# Altium PCB MU_MP_39_V1_ASMB.PcbDoc (part 7 of 15) (continued)
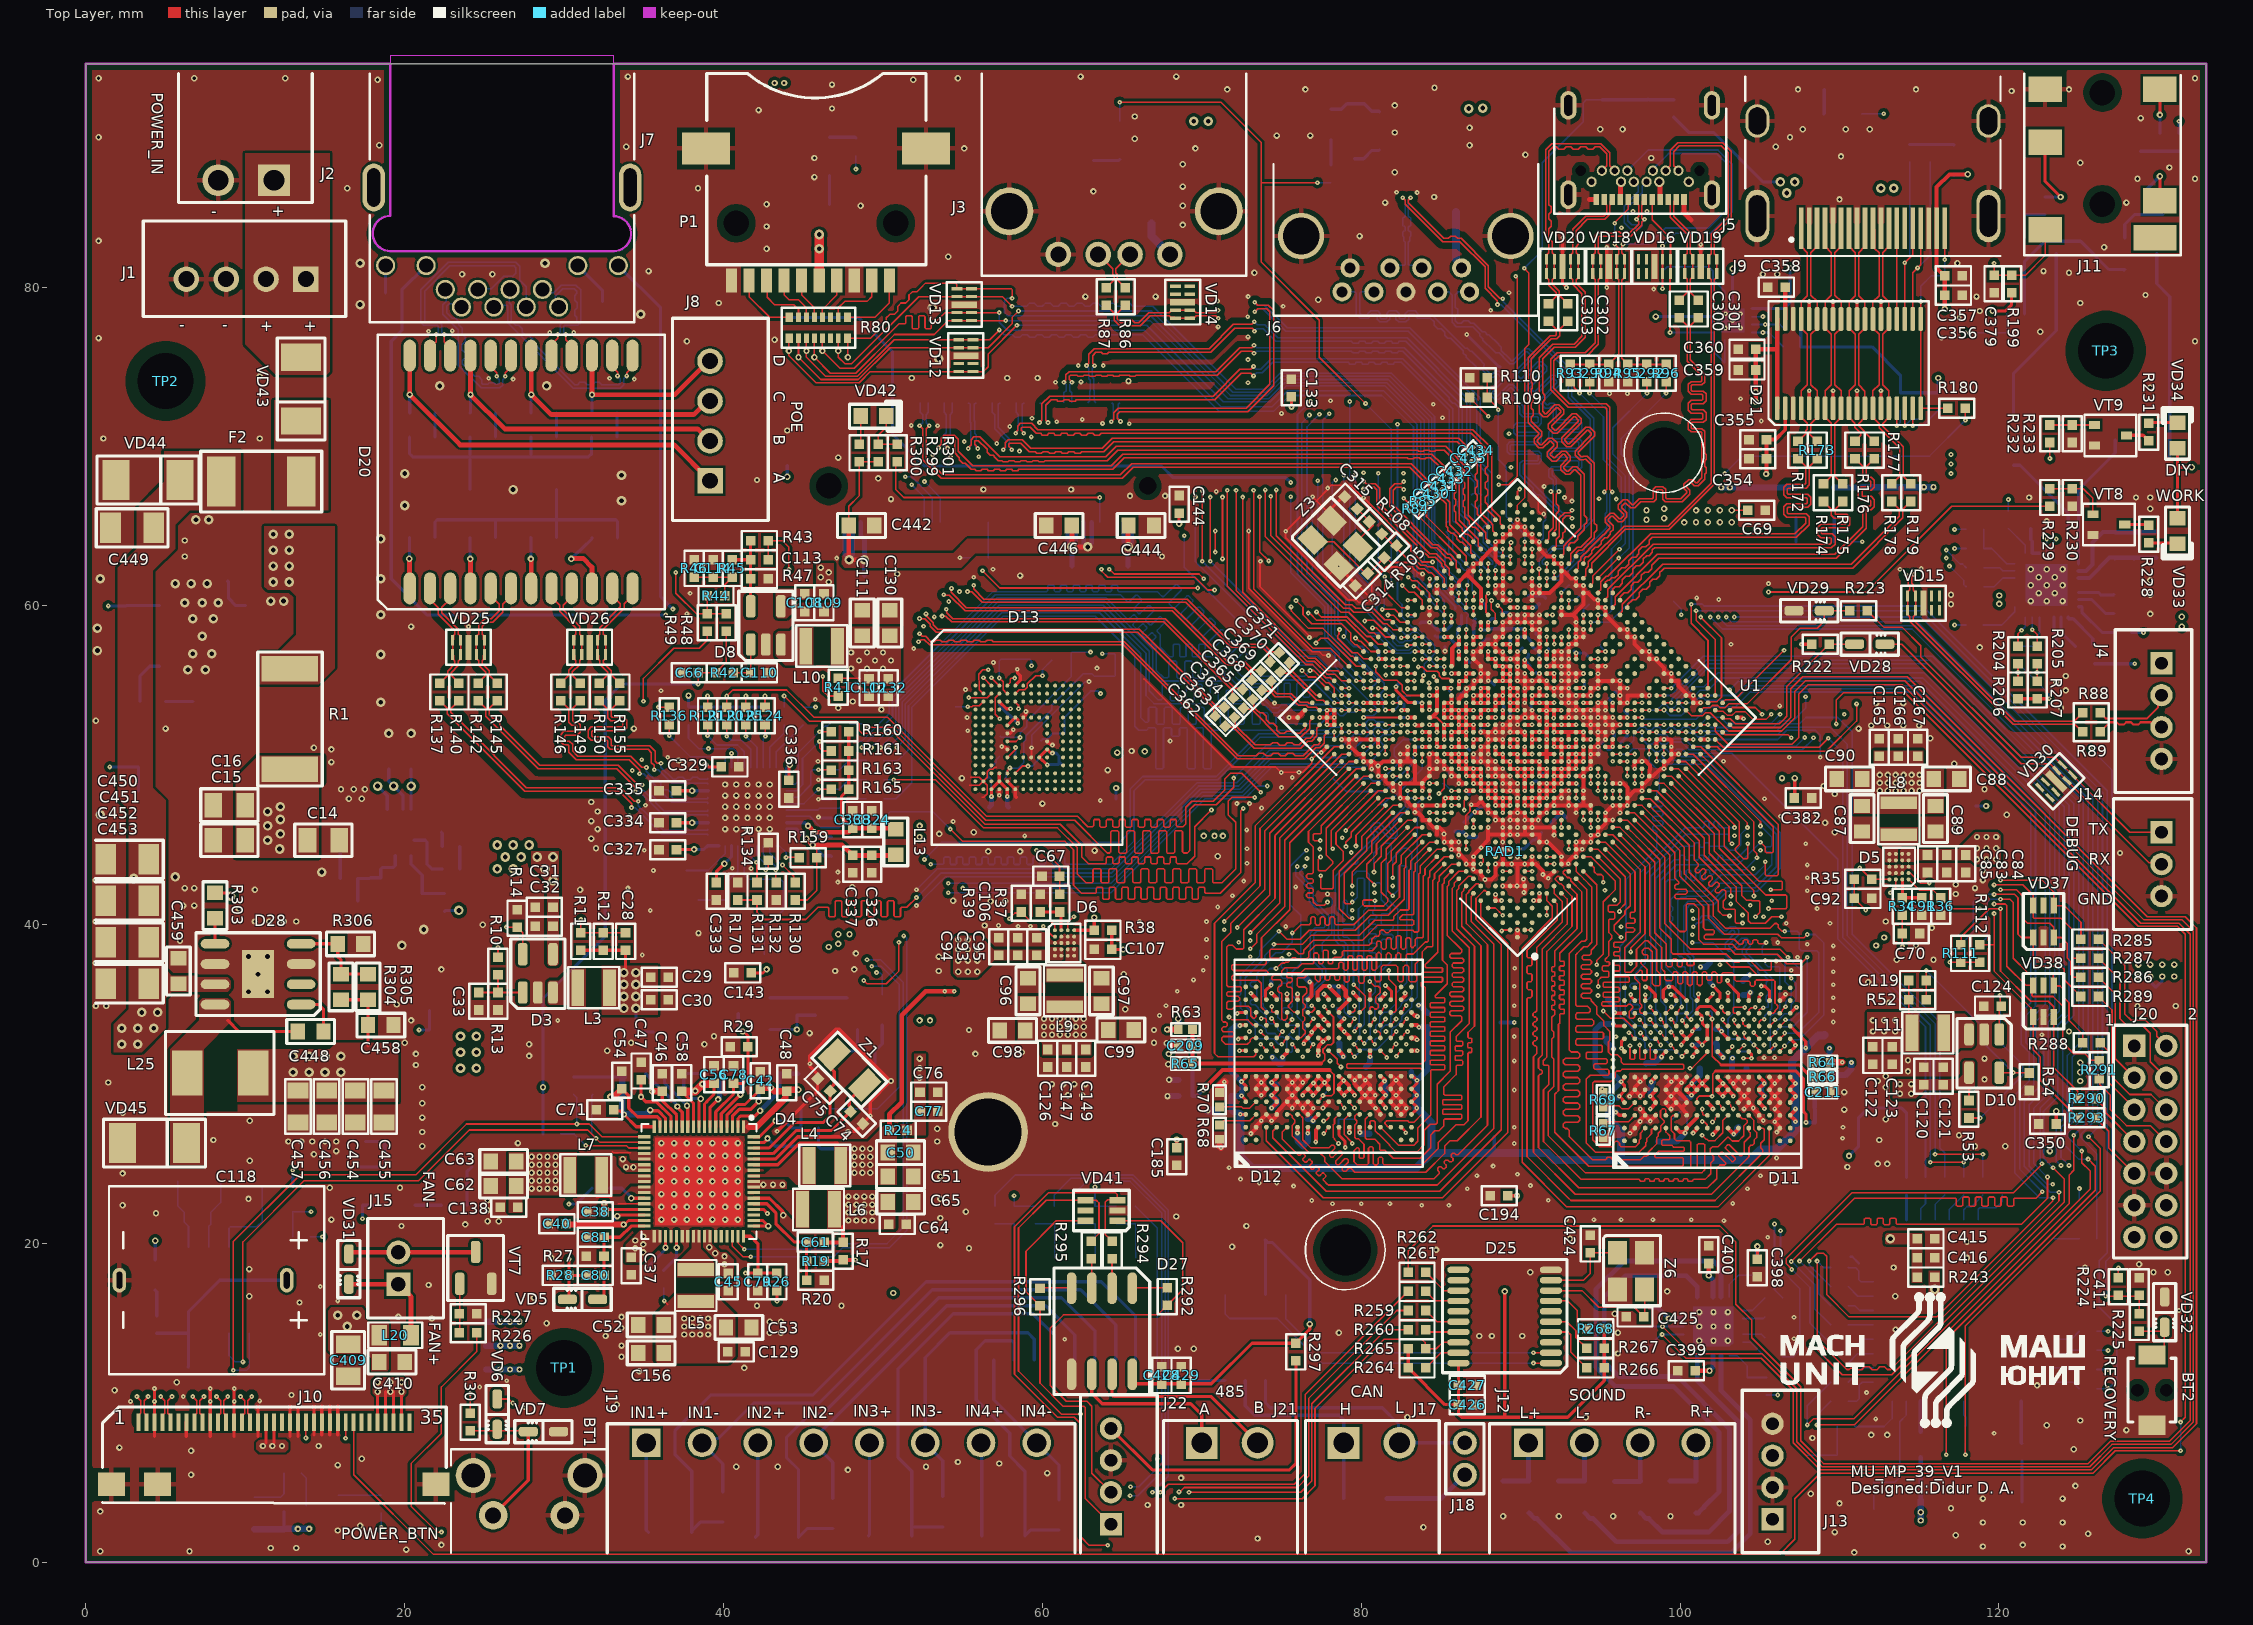
[diagram p0: Top Layer view]
## Nets (pads, with @x,y where several pads share a name; then routed paths per layer and width w, separated by ;. In a path a pad name is that pad's centre, name@x,y a point inside that pad or via, vN(x,y) a via of type N, cw(c..) or ccw(c..) an arc to the next point about the centre after c; other vN are vias at no path point) (continued)
  Top Layer w0.25: v1(78.772,51.623) 78.774,51.621 U1.C26@79.229,51.621 ; v1(80.656,49.774) 80.608,49.823 U1.C23@80.608,50.242 ; v1(81.07,51.163) 81.067,51.166 U1.E24@81.067,51.621 80.612,51.621 v1(80.61,51.623) v1(79.691,51.623) 79.69,51.621 U1.C26@79.229,51.621 ; v1(82.022,48.403) 82.022,48.417 81.987,48.452 U1.C20@81.986,48.863 81.643,48.863 81.527,48.98 U1.C21@81.527,49.323 81.072,49.323 v1(81.07,49.325) 81.07,49.944 v1@81.062,49.952 ; v1(82.449,49.785) 82.446,49.787 U1.E21@82.446,50.242 ; v1(82.449,50.704) 82.451,50.702 U1.F21@82.906,50.702 ; v1(82.452,48.857) 82.449,48.853 v1(82.449,47.946) 82.451,47.944 U1.C18@82.906,47.944 82.891,47.93 82.891,47.717 83.124,47.485 U1.C17@83.365,47.485 ; v1@82.452,48.858 83.298,48.858 ; v1(82.908,51.163) 82.906,51.161 U1.F21@82.906,50.702 ; v1(83.827,48.406) 83.836,48.415 U1.E18@83.836,48.784 ; U1.F18@84.285,49.323 84.264,49.323 84.183,49.242 84.131,49.242 83.91,49.022 83.91,48.969 83.825,48.884 U1.E18@83.825,48.863 83.819,48.858 83.298,48.858 ; U1.F18@84.285,49.325 84.285,49.782 v1(84.287,49.785) ; 84.744,45.661 U1.C14@84.744,46.106 ; U1.G18@84.744,49.783 84.289,49.783 v1(84.287,49.785) ; v1(84.746,47.487) v1(83.827,47.487) 83.368,47.487 U1.C17@83.365,47.485 ; v1(84.746,47.487) 84.749,47.485 85.204,47.485 85.204,47.945 85.206,47.946 85.208,47.944 v1(85.289,47.944) U1.F15@85.663,47.944 85.663,47.946 v1(86.125,47.946) ; v1@85.192,45.693 85.206,45.678 v1(85.206,45.189) 85.209,45.186 U1.C12@85.663,45.186 ; v1(85.195,45.693) 85.192,45.696 85.192,45.823 84.909,46.106 U1.C14@84.744,46.106 ; U1.N21@86.123,53.919 86.123,54.2 86.302,54.379 U1.P21@86.583,54.379 86.583,54.787 v1(86.61,54.814) 86.634,54.838 U1.R21@87.042,54.838 87.042,55.247 v1(87.095,55.299) v1(87.095,55.299) U1.T21@87.502,55.298 87.502,55.757 v1(87.504,55.758) 87.502,55.76 U1.U22@87.502,56.217 U1.U23@87.042,56.677 87.042,57.095 87.032,57.105 v1(87.032,57.118) ; U1.AA29@86.123,61.273 86.123,61.515 86.6,61.992 ; v1(86.125,45.189) 86.122,45.186 U1.C12@85.663,45.186 ; U1.H15@86.583,48.863 86.127,48.864 v1(86.125,48.865) 86.123,48.867 U1.H16@86.123,49.323 85.667,49.323 v1(85.665,49.325) 85.664,49.327 85.664,49.783 85.208,49.783 v1(85.206,49.785) 85.204,49.786 U1.H18@85.204,50.242 84.748,50.242 v1(84.746,50.244) 84.744,50.246 U1.H19@84.744,50.702 84.288,50.702 v1(84.287,50.704) v1(84.287,49.785) ; v1@86.9,47.518 86.904,47.514 87.26,47.514 87.502,47.756 ; v1(87.034,62.642) 87.042,62.633 U1.AC29@87.042,62.192 86.8,62.192 86.6,61.992 ; v1@87.042,57.136 v1@87.044,57.137 ; v1@87.042,62.65 87.044,62.652 U1.AD29@87.502,62.652 87.502,62.894 88.179,63.571 U1.AF29@88.421,63.571 ; v1(87.044,50.704) 87.042,50.702 U1.K16@87.042,50.242 87.502,50.242 v1(87.504,50.244) ; v1@87.045,57.136 U1.V23@87.502,57.137 87.502,57.595 v1(87.5,57.597) ; U1.AA26@87.502,59.894 87.502,60.274 87.557,60.33 v1(87.557,60.342) ; U1.H13@87.502,47.944 87.502,47.756 ; v1@87.502,57.595 87.504,57.597 v1(88.423,57.597) ; v1(87.504,52.082) 87.505,52.081 U1.N17@87.962,52.081 ; v1@87.504,60.354 87.504,61.088 86.6,61.992 ; v1(87.504,55.758) U1.U21@87.962,55.758 87.962,55.3 v1(87.963,55.299) ; U1.K14@87.962,49.323 88.421,49.323 v1(88.423,49.325) ; v1(87.963,46.108) 87.968,46.104 87.968,45.583 ; v1(87.963,50.704) 87.962,50.705 U1.M16@87.962,51.162 ; U1.P17@88.421,52.54 88.423,52.539 v1(88.423,52.082) ; v1@88.421,57.595 U1.W22@88.421,57.137 88.857,57.136 v1(88.882,57.112) 88.882,56.678 U1.W21@88.881,56.677 v1(89.362,56.677) U1.Y20@89.8,56.677 ; U1.Y23@88.421,58.056 88.423,58.054 v1(88.423,57.597) ; U1.AC26@88.421,60.814 88.421,61.271 v1(88.423,61.273) U1.AD26@88.881,61.273 ; U1.Y23@88.421,58.056 v1(88.882,58.056) 88.881,58.058 U1.AA23@88.881,58.515 88.881,58.974 v1(88.882,58.975) ; v1(88.423,50.244) 88.421,50.242 U1.L15@87.962,50.242 ; U1.K12@88.881,48.404 89.34,48.404 v1(89.342,48.406) ; U1.N15@88.881,51.162 v1@88.881,51.622 ; v1(88.882,42.432) 89.337,42.432 U1.D5@89.34,42.429 89.345,42.434 v1(89.775,42.434) ; v1(88.882,45.189) 88.881,45.19 U1.G9@88.881,45.646 ; v1(88.882,49.785) 88.88,49.783 U1.L14@88.421,49.783 ; v1(88.882,51.623) v1@88.881,51.622 ; v1(88.882,58.975) U1.AB23@89.34,58.975 ; U1.H9@89.34,46.106 89.34,45.65 v1(89.342,45.649) ; v1(89.341,59.434) U1.AB23@89.34,58.975 ; v1(89.342,44.73) 89.339,44.727 U1.F8@88.881,44.727 U1.E7@88.881,43.808 ; v1(89.342,49.325) 89.34,49.323 U1.L13@88.881,49.323 ; v1@89.342,60.354 88.881,60.354 88.881,60.812 v1(88.882,60.813) 88.881,60.815 U1.AD26@88.881,61.273 ; v1(89.8,57.125) U1.Y20@89.8,56.677 ; U1.AC23@89.8,59.435 v1(89.8,58.975) ; v1(89.801,46.108) 89.8,46.109 U1.J9@89.8,46.565 89.344,46.565 v1(89.342,46.568) 89.34,46.569 U1.J10@89.34,47.025 89.799,47.025 v1(89.801,47.027) ; v1(89.801,48.865) 89.342,48.865 U1.L12@89.34,48.863 ; v1(89.801,52.542) 89.801,52.999 U1.T16@89.8,53 ; v1(89.801,65.409) 89.8,65.408 U1.AJ29@89.8,64.95 ; v1(90.181,42.865) 90.181,42.507 U1.E4@90.255,42.434 ; v1(90.206,42.027) 90.26,42.08 U1.E4@90.26,42.429 U1.E4@90.255,42.434 ; v1@90.259,52.081 U1.R15@89.8,52.081 89.798,52.083 v1(89.342,52.083) 89.34,52.084 U1.R16@89.34,52.54 ; U1.R14@90.26,51.621 90.26,52.081 v1(90.264,52.085) ; U1.U16@90.26,53.46 90.26,53.002 v1@90.261,53.001 ; v1(90.261,53.92) v1(90.261,53.92) v1(90.261,54.839) v1(90.261,54.839) ; v1(90.261,55.758) v1(90.261,55.758) U1.W18@90.26,55.298 ; v1(90.72,44.27) U1.G5@90.719,43.808 ; U1.W17@90.719,54.838 90.262,54.838 v1(90.261,54.839) ; U1.AD22@90.719,59.435 90.261,59.435 90.26,59.434 U1.AC22@90.26,58.975 ; U1.AE23@90.719,60.354 90.719,60.793 v1(90.745,60.818) ; v1(90.72,61.732) 90.719,60.844 v1(90.745,60.818) ; v1(90.721,53.461) 90.719,53.46 U1.U15@90.719,53 ; v1(90.72,58.975) U1.AD21@91.179,58.975 v1@91.179,59.434 ; v1(91.174,53) v1@91.172,53 ; U1.U14@91.179,52.54 91.179,52.993 v1@91.172,53 ; U1.AB19@91.179,57.137 v1(91.18,57.622) v1(91.18,57.622) v1(91.18,57.622) U1.AC20@91.179,58.056 U1.AC20@91.179,58.056 v1(91.18,58.516) ; v1(91.18,58.516) U1.AC21@90.719,58.515 90.719,58.974 U1.AC22@90.26,58.975 ; v1(91.18,61.273) U1.AF23@91.179,60.814 ; v1(91.18,55.758) v1(91.18,55.758) U1.Y17@91.179,55.298 ; v1@91.64,56.217 U1.AB17@92.098,56.217 ; U1.H3@92.098,43.348 91.73,42.98 v1(91.73,42.916) 91.722,42.925 91.62,42.925 v1(91.4,43.145) 91.4,43.373 90.966,43.808 U1.G5@90.719,43.808 ; v1(92.099,45.623) U1.L6@92.098,46.106 ; U1.L6@92.098,46.106 91.631,46.106 91.629,46.108 v1(90.72,46.108) ; v1(92.099,47.487) U1.N8@92.098,47.944 92.556,47.944 v1(92.558,47.946) U1.P8@92.558,48.403 ; U1.Y15@92.098,54.379 v1(92.099,54.839) ; v1(92.099,56.678) U1.AB17@92.098,56.217 ; v1(92.099,56.678) U1.AC18@92.098,57.137 92.109,57.126 v1(92.558,57.126) U1.AC17@92.558,56.677 ; v1(92.099,63.111) U1.AJ24@92.098,62.652 v1(92.558,62.652) ; v1(92.099,63.111) 91.639,63.111 U1.AJ26@91.179,63.571 91.179,63.873 91.163,63.888 v1(91.164,64.012) 91.151,64.012 91.132,64.031 U1.AJ27@90.719,64.031 90.719,64.489 v1(90.72,64.49) v1(90.72,64.49) U1.AJ28@90.26,64.49 90.26,64.948 v1(90.261,64.949) v1(90.261,64.949) U1.AJ29@89.8,64.95 ; U1.P8@92.558,48.404 93.016,48.404 v1@93.017,48.405 ; U1.W13@92.558,53 93.017,53 v1(93.018,53.001) 93.019,53 U1.Y12@93.477,53 ; U1.Y14@92.558,53.919 93.017,53.919 v1(93.018,53.92) 93.019,53.919 U1.AA13@93.477,53.919 v1(93.478,53.461) ; U1.AB16@92.558,55.758 92.569,55.769 v1(93.017,55.769) ; v1(92.558,44.27) U1.J3@92.558,43.808 92.567,43.817 92.637,43.817 92.664,43.845 92.966,43.845 92.979,43.832 v1(92.993,43.832) ; v1(92.558,44.27) 92.558,44.349 91.718,45.189 v1(91.639,45.189) 91.637,45.186 U1.J6@91.179,45.186 91.179,45.648 91.177,45.646 90.262,45.646 90.26,45.649 ; v1(92.558,54.38) U1.AA15@92.558,54.838 ; v1(92.558,55.299) v1(92.558,55.299) U1.AB15@93.017,55.298 v1(93.017,55.769) ; v1@92.558,59.894 U1.AF20@92.558,59.435 93.288,59.435 ; v1(92.558,62.652) U1.AJ23@92.558,62.193 ; v1@92.993,43.845 93.002,43.854 93.002,44.01 93.253,44.261 93.468,44.261 v1(93.478,44.27) ; v1(93.018,47.487) U1.P7@93.017,47.944 ; v1(93.018,53.001) U1.Y13@93.017,53.46 93.476,53.46 v1(93.478,53.461) 93.479,53.46 U1.AA12@93.937,53.46 ; v1(93.018,53.92) U1.AA14@93.017,54.379 ; v1(93.018,56.678) U1.AC16@93.017,56.217 ; v1(93.018,56.678) U1.AD17@93.017,57.137 v1(93.018,57.597) ; v1(93.017,54.839) U1.AB15@93.017,55.298 ; v1(93.018,57.597) U1.AE17@93.477,57.596 v1(93.478,58.056) ; v1(93.478,44.27) U1.L3@93.477,44.727 ; v1(93.478,45.189) U1.L3@93.477,44.727 ; v1(93.478,47.027) U1.P6@93.477,47.485 ; U1.T8@93.477,49.323 93.938,49.323 v1(93.938,48.404) 93.937,48.403 93.937,47.487 ; v1@93.477,55.3 U1.AC15@93.477,55.758 ; v1(93.478,58.056) v1(93.478,58.975) ; U1.AJ21@93.477,61.273 v1(93.478,61.732) ; v1(93.478,45.189) 93.48,45.186 94.394,45.186 v1(94.397,45.189) 94.4,45.192 v1(94.4,45.608) ; v1(93.478,58.056) U1.AF17@93.937,58.056 v1(93.937,58.516) ; v1(93.478,58.975) 93.478,59.245 93.288,59.435 ; U1.AJ21@93.477,61.273 v1(93.937,61.273) ; v1(93.478,61.732) 93.158,61.732 92.698,62.192 U1.AJ23@92.558,62.192 ; v1(93.861,44.73) 93.858,44.727 U1.L3@93.477,44.727 ; U1.Y11@93.937,52.54 v1@94.395,52.54 ; v1(93.937,53) U1.AA12@93.937,53.46 ; v1@93.936,55.758 U1.AC15@93.477,55.758 ; v1(93.937,61.273) U1.AJ20@93.937,60.814 ; v1@93.938,49.324 93.937,49.326 U1.U8@93.937,49.783 94.398,49.783 v1(94.401,49.78) ; v1@93.937,53.001 v1(93.937,53) U1.AA11@94.396,53 ; v1@93.939,49.323 v1(93.941,49.321) ; v1(94.393,53.457) 94.391,53.46 U1.AA12@93.937,53.46 ; v1(94.397,47.027) U1.R5@94.396,47.485 94.394,47.487 93.937,47.487 93.479,47.487 U1.P6@93.477,47.485 ; v1@94.396,49.785 94.396,50.696 v1(94.4,50.7) ; U1.Y10@94.396,52.081 v1(94.397,52.542) ; U1.AA11@94.396,53 v1(94.397,52.542) 94.398,52.54 94.856,52.54 94.856,52.087 v1(94.855,52.086) v1(94.855,52.086) ; v1@94.395,53.46 94.397,53.461 94.398,53.46 U1.AB11@94.856,53.46 ; v1@94.409,45.6 94.794,45.6 94.843,45.649 v1(94.856,45.649) U1.P3@94.856,46.106 95.062,46.106 95.316,46.36 U1.R3@95.316,46.565 ; v1(94.849,60.364) 94.836,60.364 94.786,60.413 94.629,60.413 94.229,60.814 U1.AJ20@93.937,60.814 ; U1.W8@94.856,50.702 94.402,50.702 v1(94.4,50.7) ; v1@94.856,55.743 U1.AD13@94.856,55.298 ; v1@94.856,55.743 94.856,56.217 v1@95.315,56.217 ; v1@94.856,60.364 U1.AJ18@94.856,59.894 v1(95.316,59.894) 95.316,59.435 U1.AJ15@96.235,58.515 v1(96.694,58.516) ; v1@95.315,51.623 U1.AA9@95.315,52.081 94.86,52.081 v1(94.855,52.086) ; v1(95.316,53.461) 95.316,53.919 94.857,53.919 v1(94.856,53.92) U1.AB11@94.856,53.46 ; v1(95.775,46.575) 95.761,46.575 95.752,46.565 U1.R3@95.316,46.565 ; U1.V5@95.775,48.863 v1(96.235,48.865) v1(96.235,48.865) 96.44,48.865 96.694,48.611 U1.V3@96.694,47.944 ; v1(95.775,52.082) U1.AB9@95.775,52.54 ; v1(95.775,53.001) 95.774,53 U1.AB10@95.315,53 ; v1(96.235,55.299) U1.AD13@94.856,55.298 ; v1(96.235,47.027) U1.U3@96.235,47.485 ; v1(96.235,52.542) 96.233,52.54 U1.AB9@95.775,52.54 ; v1(96.235,55.299) U1.AE11@96.235,54.838 ; v1(96.694,47.487) 96.692,47.485 U1.U3@96.235,47.485 ; v1(96.694,47.487) U1.V3@96.694,47.944 ; v1(96.694,54.839) v1(96.694,54.839) U1.AE11@96.235,54.838 ; v1(96.694,58.516) U1.AJ14@96.694,58.056 v1(97.154,58.056) ; v1(97.154,49.785) U1.AA5@97.154,50.242 97.612,50.242 v1(97.613,50.244) 97.626,50.257 97.826,50.257 98.106,49.977 98.106,49.749 98.073,49.716 U1.AA3@98.073,49.323 ; v1(97.154,58.056) 97.154,57.596 U1.AJ12@97.614,57.137 v1(98.073,57.137) U1.AJ11@98.073,56.677 v1(98.532,56.678) 98.532,56.561 98.992,56.101 U1.AJ9@98.992,55.758 v1(99.452,55.758) ; v1(97.613,48.406) 97.156,48.406 U1.V3@96.694,47.944 ; v1(97.613,48.406) U1.Y3@97.614,48.863 97.776,48.863 98.073,49.161 U1.AA3@98.073,49.323 ; v1@98.072,54.379 96.694,54.379 v1(96.694,53.92) 96.693,53.919 U1.AD10@96.235,53.919 96.235,54.38 U1.AE11@96.235,54.838 ; v1(98.532,51.163) U1.AD5@98.533,51.621 98.99,51.621 v1(98.992,51.623) 99.406,51.623 99.452,51.577 v1(99.452,51.163) U1.AD3@99.452,50.702 ; U1.AJ8@99.452,55.298 v1(99.452,55.758) ; U1.AJ8@99.452,55.298 99.911,55.299 99.911,54.979 100.371,54.519 U1.AJ6@100.371,54.379 100.829,54.379 v1(100.83,54.38) 100.831,54.379 U1.AJ5@100.831,53.919 101.284,53.919 v1(101.29,53.925) ; v1(99.911,50.704) 99.909,50.702 U1.AD3@99.452,50.702 ; U1.C26@79.229,51.621 79.229,51.166 v1(79.232,51.163) 79.343,51.163 79.805,50.702 80.148,50.702 80.148,50.247 v1(80.151,50.244) 80.153,50.242 U1.C23@80.608,50.242 ; U1.C23@80.608,50.242 80.772,50.242 v1@81.062,49.952 ; v1@81.062,49.952 81.354,50.244 v1(81.989,50.244) 82.444,50.244 U1.E21@82.446,50.242 ; U1.E21@82.446,50.242 82.901,50.242 82.906,50.246 ; 82.906,50.246 82.91,50.242 U1.F20@83.365,50.242 83.365,48.926 83.298,48.858 ; 82.906,50.247 U1.F21@82.906,50.702 ; U1.C17@83.365,47.485 83.365,47.055 v1(83.368,47.053) 83.555,47.053 83.84,46.768 83.84,46.565 U1.C15@84.285,46.565 84.285,46.36 84.539,46.106 U1.C14@84.744,46.106 ; U1.C12@85.663,45.186 85.663,44.732 v1(85.665,44.73) 85.668,44.727 U1.C11@86.123,44.727 86.123,44.374 v1(86.125,44.372) 86.236,44.372 86.584,44.024 v1(86.584,43.811) 86.587,43.808 U1.C9@87.042,43.808 ; U1.C9@87.042,43.808 87.042,43.486 v1(87.031,43.475) 87.158,43.348 U1.C8@87.502,43.348 87.502,43.106 v1(87.768,42.84) 88.174,42.84 88.423,43.088 v1(88.423,43.811) 88.426,43.808 U1.E7@88.881,43.808 ; U1.C9@87.042,43.808 87.042,44.268 v1(87.044,44.27) 87.054,44.28 87.054,44.354 87.522,44.822 v1(87.522,44.826) 87.522,44.839 87.565,44.881 87.565,44.918 87.968,45.321 87.968,45.583 ; 87.502,47.756 87.773,47.485 U1.H12@87.962,47.485 87.962,47.029 v1(87.963,47.027) 87.965,47.025 U1.H11@88.421,47.025 88.421,46.569 v1(88.423,46.568) 88.425,46.565 U1.H10@88.881,46.565 88.881,46.11 v1(88.882,46.108) 88.881,46.107 U1.G9@88.881,45.646 ; v1(87.504,50.244) 87.502,50.246 87.502,51.162 v1(87.504,51.163) 87.505,51.162 U1.M16@87.962,51.162 ; v1(87.504,50.244) 87.506,50.242 U1.L15@87.962,50.242 ; U1.L15@87.962,50.242 87.962,49.786 v1(87.963,49.785) 87.965,49.783 U1.L14@88.421,49.783 ; U1.M16@87.962,51.162 87.962,51.621 v1(87.963,51.623) ; U1.N17@87.962,52.081 88.421,52.081 v1(88.423,52.082) ; U1.N17@87.962,52.081 87.962,51.624 v1(87.963,51.623) ; v1(87.963,51.623) 87.965,51.621 v1@88.88,51.621 ; 87.968,45.583 88.031,45.646 U1.G9@88.881,45.646 ; U1.L14@88.421,49.783 88.421,49.326 v1(88.423,49.325) ; U1.AF29@88.421,63.571 88.421,64.029 v1(88.423,64.03) U1.AG29@88.881,64.031 88.881,64.488 v1(88.882,64.49) v1(88.882,64.49) U1.AH29@89.34,64.49 89.34,64.948 v1(89.342,64.949) v1(89.342,64.949) U1.AJ29@89.8,64.95 ; U1.AF29@88.421,63.571 88.421,62.913 88.683,62.652 v1(88.882,62.652) 88.881,62.65 88.881,61.734 v1(88.882,61.732) 88.881,61.731 U1.AD26@88.881,61.273 ; v1(88.423,49.325) 88.425,49.323 U1.L13@88.881,49.323 ; v1(88.423,52.082) 88.879,52.082 U1.P16@88.881,52.081 88.881,52.54 v1(88.882,52.542) 88.883,52.54 U1.R16@89.34,52.54 ; U1.E7@88.881,43.808 89.44,43.808 v1(89.443,43.811) 89.8,43.811 ; U1.G9@88.881,45.646 89.339,45.646 v1(89.342,45.649) ; U1.L13@88.881,49.323 88.881,48.867 v1(88.882,48.865) v1(88.882,48.865) U1.L12@89.34,48.863 ; U1.L12@89.34,48.863 89.34,48.407 v1(89.342,48.406) ; U1.R16@89.34,52.54 89.34,53.001 v1(89.342,53.002) 89.798,53.002 U1.T16@89.8,53 ; U1.AB23@89.34,58.975 v1(89.8,58.975) ; v1(89.342,45.649) v1(89.8,45.649) 90.26,45.649 ; v1(89.342,48.406) 89.344,48.404 U1.L11@89.8,48.404 89.8,47.948 v1(89.801,47.946) 89.8,47.945 89.8,47.029 v1(89.801,47.027) ; v1(89.775,42.434) U1.E4@90.255,42.434 ; v1(89.775,42.434) 89.8,42.459 89.8,43.811 ; 89.8,43.811 v1(90.261,43.811) 90.717,43.811 U1.G5@90.719,43.808 ; U1.T16@89.8,53 v1(90.275,53) U1.U15@90.719,53 ; U1.Y20@89.8,56.677 89.8,56.194 v1(89.801,56.193) 89.8,56.192 89.8,55.3 v1(89.801,55.299) v1(89.801,55.299) U1.W18@90.26,55.298 ; v1(89.8,58.975) U1.AC22@90.26,58.975 ; v1(89.801,47.027) 89.803,47.025 U1.K9@90.26,47.025 U1.K9@90.26,47.025 v1(90.261,46.568) 90.263,46.565 U1.K8@90.719,46.565 ; 90.26,45.649 U1.J8@90.26,46.106 U1.J8@90.26,46.106 90.262,46.108 v1(90.72,46.108) ; U1.W18@90.26,55.298 v1(90.72,55.299) v1(90.72,55.299) 90.721,55.298 U1.Y17@91.179,55.298 ; U1.W18@90.26,55.298 90.26,54.84 v1(90.261,54.839) ; U1.K8@90.719,46.565 90.722,46.568 v1(91.104,46.568) 91.19,46.654 91.19,47.014 U1.L8@91.179,47.025 91.637,47.025 v1(91.639,47.027) U1.M8@91.638,47.485 92.097,47.485 v1(92.099,47.487) v1(93.018,47.487) 93.02,47.485 U1.P6@93.477,47.485 ; U1.K8@90.719,46.565 v1(90.72,46.108) v1(90.72,46.108) ; U1.U15@90.719,53 v1@91.172,53 ; v1(90.745,60.818) 91.174,60.818 U1.AF23@91.179,60.814 ; U1.Y17@91.179,55.298 v1(91.639,55.299) U1.Y16@91.638,54.838 U1.Y16@91.638,54.838 v1(92.099,54.839) v1(92.099,54.839) U1.AA15@92.558,54.838 ; U1.AF23@91.179,60.814 91.822,60.814 92.558,61.549 U1.AJ23@92.558,62.192 ; U1.AB17@92.098,56.217 v1(92.558,56.218) U1.AC16@93.017,56.218 ; U1.AA15@92.558,54.838 v1(93.017,54.839) U1.AA14@93.017,54.379 ; U1.AA14@93.017,54.379 93.471,54.379 v1(93.475,54.375) 93.479,54.379 94.396,54.379 v1(94.397,54.38) U1.AC13@94.396,54.838 94.855,54.838 v1(94.856,54.839) U1.AD13@94.856,55.298 ; v1(93.017,55.769) 93.028,55.758 U1.AC15@93.477,55.758 ; v1(93.017,55.769) U1.AC16@93.017,56.217 ; 93.288,59.435 93.937,60.083 U1.AJ20@93.937,60.814 ; v1(94.4,50.7) 94.396,50.704 U1.W9@94.396,51.162 94.398,51.163 v1(94.856,51.163) U1.Y9@94.856,51.621 v1(94.855,52.086) ; U1.AB11@94.856,53.46 94.856,53.002 94.857,53 U1.AB10@95.315,53 ; U1.R3@95.316,46.565 v1(95.316,47.027) v1(95.775,47.487) 95.778,47.485 U1.U3@96.235,47.485 ; U1.AB10@95.315,53 95.315,52.542 95.317,52.54 U1.AB9@95.775,52.54 ; U1.AA3@98.073,49.323 98.315,49.323 98.777,49.785 v1(98.992,49.785) U1.AC3@98.992,50.242 99.234,50.242 99.452,50.46 U1.AD3@99.452,50.702
  Top Layer w0.254: v1(73.079,26.901) 73.405,27.226 D12.B2@73.405,27.301 73.405,27.376 v1(73.729,27.701) 73.729,27.776 D12.C3@74.055,28.101 74.379,27.776 v1(74.379,27.701) 74.705,28.026 74.705,28.251 D12.E4@75.355,28.901 ; v1(73.079,35.701) 73.405,35.376 D12.B12@73.405,35.301 ; D12.B6@73.405,30.501 73.405,30.426 v1(73.729,30.101) ; D12.C6@74.055,30.501 74.055,30.426 v1(73.729,30.101) ; v1(74.373,35.706) 74.705,35.374 D12.D12@74.705,35.301 ; D12.E6@75.355,30.501 75.355,30.426 v1(75.679,30.101) ; v1(75.474,53) U1.A31@76.011,53 ; D12.F12@76.005,35.301 76.005,35.652 v1(76.008,35.655) ; v1(76.4,32.531) 76.409,32.54 76.409,32.655 76.888,33.134 76.888,33.255 v1(76.897,33.264) 76.906,33.272 76.906,33.302 D12.H10@77.305,33.701 77.659,33.347 v1(77.659,33.344) ; D12.G6@76.655,30.501 76.655,30.426 v1(76.33,30.101) ; v1(77.151,26.377) 77.151,27.135 77.305,27.289 D12.H2@77.305,27.301 ; v1(77.394,53.001) 77.395,53 U1.C29@77.85,53 77.85,52.545 v1(77.853,52.542) 77.855,52.54 U1.C28@78.31,52.54 78.309,52.998 v1(78.313,53.001) ; v1(77.5,50.8) 77.5,50.806 77.85,51.156 U1.A27@77.85,51.162 ; v1(77.605,28.501) 77.605,28.505 77.946,28.846 77.946,28.892 D12.J4@77.955,28.901 ; v1(77.659,35.655) 77.955,35.36 D12.J12@77.955,35.301 ; v1(78.93,34.101) 78.605,33.776 D12.K10@78.605,33.701 78.605,33.626 v1(78.93,33.301) 79.255,32.976 D12.L9@79.255,32.901 ; D12.L6@79.255,30.501 79.334,30.501 v1(79.589,30.245) ; v1(79.498,35.738) 79.507,35.729 79.507,35.699 79.89,35.316 D12.M12@79.905,35.301 ; D12.M4@79.905,28.901 79.905,28.976 v1(80.23,29.301) ; v1(80.151,53.92) 80.152,53.919 U1.G27@80.608,53.919 81.069,53.919 v1(81.07,53.92) 81.071,53.919 U1.H26@81.527,53.919 ; D12.N6@80.555,30.501 80.505,30.501 v1(80.25,30.245) ; D12.P3@81.205,28.101 81.205,28.189 v1(80.901,28.493) 80.555,28.839 D12.N4@80.555,28.901 D12.N4@80.555,28.959 ; D12.P12@81.205,35.301 81.213,35.31 81.213,35.349 81.491,35.627 81.491,35.666 v1(81.5,35.675) ; D12.R6@81.854,30.501 81.924,30.501 v1(82.18,30.245) ; v1(81.98,55.767) 81.993,55.767 82.002,55.758 U1.L27@82.446,55.758 ; D12.T6@82.504,30.501 82.436,30.501 v1(82.18,30.245) ; D12.T12@82.504,35.301 82.519,35.316 82.766,35.563 82.766,35.686 82.755,35.697 v1(82.755,35.709) ; v1(83.827,52.082) 83.829,52.081 U1.J21@84.285,52.081 84.285,51.625 v1(84.287,51.623) ; U1.K22@84.285,53 84.415,53 84.744,53.329 U1.M23@84.744,54.379 ; U1.U29@84.285,59.435 v1@84.285,59.891 ; v1(84.287,54.38) 84.288,54.379 U1.M23@84.744,54.379 ; v1(84.744,54.83) U1.M23@84.744,54.379 ; U1.W30@84.744,60.814 84.744,61.271 v1(84.746,61.273) ; v1(85.206,51.623) 85.204,51.625 85.204,52.54 v1(85.206,52.542) 85.207,52.54 U1.L20@85.664,52.54 ; U1.Y29@85.663,60.814 85.663,61.271 v1(85.665,61.273) ; v1(85.665,51.163) 85.667,51.162 U1.K18@86.123,51.162 ; v1(85.665,55.758) U1.R23@86.123,55.758 ; v1(86.125,51.623) 86.123,51.621 U1.K18@86.123,51.162 ; v1(86.584,51.163) 86.583,51.162 U1.K18@86.123,51.162 ; U1.N19@87.042,53 87.502,53 v1(87.504,53.001) 87.502,53.003 U1.P19@87.502,53.46 87.962,53.46 v1(87.963,53.461) 87.964,53.46 U1.R18@88.421,53.46 88.421,53.919 v1(88.423,53.921) ; v1(88.423,41.896) 88.421,41.895 U1.B5@88.421,41.51 88.803,41.509 v1(88.806,41.513) ; U1.U19@88.881,54.838 88.881,54.381 v1(88.882,54.38) ; U1.N14@89.34,50.702 89.798,50.702 v1(89.8,50.7) U1.N13@89.8,50.242 v1(90.261,50.244) v1(90.261,50.244) 90.262,50.242 v1(91.18,50.244) ; U1.M10@90.719,48.404 v1(90.72,48.865) v1(90.72,48.865) ; v1(90.816,41.519) 90.826,41.509 U1.E2@91.179,41.51 91.179,41.971 v1(91.18,41.972) ; v1(91.18,50.244) v1(91.18,50.244) U1.P11@91.179,49.783 ; v1(92.099,50.244) 92.556,50.244 U1.T10@92.558,50.242 v1(92.558,50.704) ; v1(92.099,51.163) 92.101,51.162 U1.U11@92.558,51.162 ; v1(92.099,51.163) U1.U12@92.098,51.621 92.557,51.621 U1.U11@92.558,51.162 ; v1(92.558,50.704) U1.U11@92.558,51.162 ; v1(93.478,51.623) U1.V10@93.477,51.162 93.019,51.162 v1(93.018,51.163) 93.016,51.162 U1.U11@92.558,51.162 ; v1(95.109,29.688) 95.118,29.679 95.118,29.54 R69.1@95.184,29.472 ; R67.1@95.184,26.642 95.366,26.642 v1(95.642,26.918) ; v1(96.838,29.235) 96.846,29.244 96.846,29.329 D11.B5@97.163,29.645 ; v1(96.861,26.92) 96.87,26.929 96.87,26.945 97.152,27.227 97.152,27.234 D11.B2@97.163,27.245 ; D11.B2@97.163,27.321 v1(97.496,27.654) 97.496,27.729 D11.C3@97.813,28.046 ; D11.B6@97.163,30.445 97.194,30.445 v1(97.496,30.144) ; v1(97.506,28.442) 97.813,28.135 D11.C3@97.813,28.046 ; D11.C5@97.813,29.645 97.804,29.637 97.804,29.553 v1(97.506,29.255) 97.163,29.598 D11.B5@97.163,29.645 ; D11.C6@97.813,30.445 97.798,30.445 v1(97.496,30.144) ; D11.D3@98.463,28.046 98.463,28.011 v1(98.131,27.68) 98.131,27.727 D11.C3@97.813,28.046 ; D11.E6@99.113,30.445 99.15,30.445 v1(99.452,30.144) ; D11.G3@100.413,28.046 100.413,28.171 100.088,28.496 ; D11.G6@100.413,30.445 100.413,30.418 v1(100.087,30.093) ; v1(100.819,26.927) 100.819,26.939 101.04,27.16 101.04,27.21 101.063,27.233 D11.H2@101.063,27.245 ; U1.AG2@101.29,51.621 101.748,51.621 v1(101.749,51.623) ; D11.J4@101.713,28.845 102.054,28.504 102.054,28.454 v1(102.063,28.445) ; v1(102.052,26.842) 102.363,27.152 D11.K2@102.363,27.245 ; D11.L6@103.013,30.445 103.013,30.37 v1(103.337,30.046) ; U1.AL1@103.589,53 103.897,53 103.972,52.925 v1(103.985,52.925) ; D11.M4@103.663,28.845 103.663,28.893 v1(104.024,29.255) ; D11.M6@103.663,30.445 D11.M6@103.663,30.429 ; v1(104.017,28.449) 104.304,28.736 104.304,28.837 D11.N4@104.313,28.845 104.313,28.966 v1(104.024,29.255) ; D11.N4@104.313,28.837 104.59,28.56 104.59,28.511 v1(104.599,28.502) 104.599,28.49 104.622,28.467 104.622,28.453 104.954,28.121 104.954,28.054 D11.P3@104.963,28.046 104.971,28.037 104.971,28.024 104.986,28.01 104.986,27.947 v1(105.216,27.716) ; D11.N5@104.313,29.645 104.313,29.543 v1(104.024,29.255) ; D11.N6@104.313,30.445 104.313,30.356 v1(104.024,30.067) D11.M6@103.663,30.429 ; D11.R4@105.613,28.858 105.621,28.867 105.621,28.929 v1(105.937,29.245) ; D11.R6@105.613,30.445 105.613,30.37 v1(105.937,30.046) ; v1(106.077,26.99) 106.254,27.166 106.254,27.237 D11.T2@106.263,27.245 106.263,27.32 v1(105.937,27.645) 106.263,27.971 D11.T3@106.263,28.046 106.263,28.12 v1(105.937,28.446) 106.263,28.771 D11.T4@106.263,28.845 106.263,28.92 v1(105.937,29.245) ; D11.T5@106.263,29.645 106.263,29.571 v1(105.937,29.245) ; D11.T6@106.263,30.445 106.263,30.371 v1(105.937,30.046) ; v1(73.729,30.101) 74.055,29.776 74.055,29.626 v1(73.729,29.301) 73.405,29.626 D12.B5@73.405,29.701 73.405,29.776 v1(73.729,30.101) ; D12.E4@75.355,28.901 75.355,28.976 v1(75.679,29.301) ; D12.E4@75.355,28.901 75.355,28.826 v1(75.679,28.501) 75.679,28.576 D12.F4@76.005,28.901 ; v1(75.679,29.301) 76.005,28.976 D12.F4@76.005,28.901 ; v1(75.679,29.301) 75.355,29.626 D12.E5@75.355,29.701 75.355,29.776 v1(75.679,30.101) ; v1(75.679,29.301) 75.679,29.376 D12.F5@76.005,29.701 ; v1(75.679,30.101) 76.005,30.426 D12.F6@76.005,30.501 76.33,30.176 v1(76.33,30.101) ; v1(75.679,30.101) 75.679,30.026 D12.F5@76.005,29.701 ; D12.F4@76.005,28.901 v1@76.33,28.576 ; D12.F5@76.005,29.701 76.33,30.026 v1(76.33,30.101) ; v1@76.33,28.576 D12.G4@76.655,28.901 76.989,28.566 v1(76.989,28.493) 76.989,28.436 D12.G3@76.655,28.101 76.33,28.426 v1(76.33,28.501) v1@76.33,28.576 ; v1(78.313,53.001) 78.309,53.005 U1.D29@78.31,53.46 77.854,53.46 v1(77.853,53.461) 77.853,53.003 77.851,53.001 v1(78.313,53.001) ; v1(79.589,30.245) 79.589,30.016 D12.M5@79.905,29.701 ; v1(79.589,30.245) 79.845,30.501 79.994,30.501 v1(80.25,30.245) ; D12.M5@79.905,29.701 80.25,30.046 v1(80.25,30.245) ; D12.M5@79.905,29.701 79.905,29.626 v1(80.23,29.301) ; v1(80.23,29.301) 80.555,28.976 D12.N4@80.555,28.959 ; v1(80.23,29.301) 80.555,29.626 D12.N5@80.555,29.689 ; v1(80.25,30.245) 80.555,29.94 D12.N5@80.555,29.701 D12.N5@80.555,29.689 ; D12.N4@80.555,28.959 80.852,29.257 80.852,29.265 80.875,29.288 v1(80.875,29.3) 80.866,29.309 80.866,29.359 80.578,29.647 80.578,29.666 D12.N5@80.555,29.689 ; v1(82.18,29.301) 81.854,28.976 81.854,28.844 v1(82.205,28.493) ; v1(82.18,29.301) 82.504,28.976 D12.T4@82.504,28.901 ; v1(82.18,29.301) 81.854,29.626 D12.R5@81.854,29.701 81.854,29.92 v1(82.18,30.245) ; v1(82.18,29.301) 82.504,29.626 82.504,29.921 v1(82.18,30.245) ; v1(82.205,28.493) 82.205,28.4 D12.T3@82.504,28.101 82.831,28.428 v1(82.831,28.493) 82.831,28.574 D12.T4@82.504,28.901 ; v1(82.205,28.493) 82.504,28.792 D12.T4@82.504,28.901 ; v1(88.423,53.921) 88.421,53.922 U1.T19@88.421,54.379 88.881,54.379 v1(88.882,54.38) ; v1(88.423,53.921) 88.424,53.919 U1.T18@88.881,53.919 88.882,53.92 v1(88.882,54.38) ; U1.P11@91.179,49.783 91.638,49.783 v1(91.639,49.785) U1.P10@91.638,49.323 91.182,49.323 v1(91.18,49.325) 91.179,49.326 U1.P11@91.179,49.783 ; D11.B5@97.163,29.645 97.163,29.81 v1(97.496,30.144) ; v1(99.438,29.245) 99.763,28.92 D11.F4@99.763,28.845 ; v1(99.438,29.245) 99.113,28.921 D11.E4@99.113,28.845 99.113,28.77 v1(99.438,28.446) 99.438,28.52 D11.F4@99.763,28.845 ; v1(99.438,29.245) 99.113,29.57 D11.E5@99.113,29.645 99.113,29.804 v1(99.452,30.144) ; v1(99.438,29.245) 99.763,29.571 D11.F5@99.763,29.645 ; v1(99.452,30.144) 99.754,30.445 D11.F6@99.763,30.445 99.763,30.417 v1(100.087,30.093) ; D11.F4@99.763,28.845 100.088,28.52 100.088,28.496 ; D11.F5@99.763,29.645 100.413,28.995 100.413,28.822 100.088,28.496 ; D11.F5@99.763,29.645 99.763,29.768 v1(100.087,30.093) ; v1(103.337,30.046) 103.663,30.371 D11.M6@103.663,30.429 ; v1(103.337,30.046) 103.337,29.971 D11.M5@103.663,29.645 103.663,29.616 v1(104.024,29.255) ; v1(105.937,29.245) 105.613,29.57 D11.R5@105.613,29.645 105.613,29.721 v1(105.937,30.046)
  Top Layer w0.3: U1.A31@76.011,53 U1.B31@76.471,53.46 ; 94.301,85.499 94.741,85.499 J5.A12@94.75,85.49 ; J5.A1@100.25,85.49 100.25,84.65 100.7,84.2
  Top Layer w0.305: U1.A1@89.8,39.211 v1(89.8,39.65)
  Top Layer w0.381: v2(67.8,32.575) 67.805,32.575 67.905,32.475 68.451,32.475 C209.1@68.522,32.404 ; R68.1@71.105,26.54 71.106,26.105 v1(71.207,26.003)
  Top Layer w0.508: R70.1@71.105,29.472 71.106,29.835 v1(71.41,30.14)
  POWER_1 w0.2: v1(79.232,51.163) v1(80.151,50.244)
  Inner_Layer w0.08: v1(76.751,58.025) 76.761,58.035 77.335,58.035 78.63,56.74 79.935,56.74 81.025,55.65 81.525,55.65 v1(81.537,55.662)
  Inner_Layer w0.1: 55.325,55.8 56.2,56.675 57.6,56.675 58.225,56.05 58.4,56.05 v1(58.425,56.025) ; v1@58.425,56 58.429,56 58.584,55.845 58.672,55.845 ; v1(60.631,51.269) 60.685,51.269 60.766,51.35 67.837,51.35 v1(68.012,51.525) 71.1,51.525 73.075,53.5 74.163,53.5 v1(74.568,53.904) ; v1(72.2,47.6) 72.2,48.5 73.6,49.9 73.6,51.1 75.474,52.974 v1(75.474,53) 75.5,53 75.924,53.424 75.979,53.424 76.015,53.461 ; v1(73,47.6) 73,48.7 74,49.7 74,50.7 75.2,51.9 76.292,51.9 v1(77.394,53.001) ; v1(76.751,58.025) 76.726,58 76.53,58 76.505,57.975 71.475,57.975 67.725,54.225 66.894,54.225 66.769,54.1 63.35,54.1 62.922,54.528 v1(62.922,55.25) 63.4,55.25 63.775,54.875 66.483,54.875 66.633,55.025 67.425,55.025 71.125,58.725 77.621,58.725 78.266,58.08 v1(78.903,58.08) ; v1(81.07,53.92) 81.494,53.92 81.639,53.776 81.844,53.57 82.134,53.57 82.139,53.575 82.15,53.575 82.475,53.9
  Inner_Layer w0.12: v1(97.154,49.785) 97.203,49.785 97.349,49.638 97.762,49.638 99.03,48.37 101.805,48.37 102.996,47.179 102.996,46.002 v1(103.414,45.583)
  Inner_Layer w0.2: v1(95.8,31.05) v1(95.8,31.525) 95.819,31.544 95.819,31.615 v1(95.82,32.201) ; v1(96.838,29.235) 96.848,29.225 97.2,29.225 97.23,29.255 v1(97.506,29.255) v1(97.506,28.442) v1@97.506,27.664 ; v1(97.496,27.654) v1@97.506,27.664 ; v1(98.131,27.68) 97.592,27.68 97.586,27.674 97.515,27.674 v1@97.506,27.664 ; v1(99.438,28.446) v1(99.438,29.245)